# KiCad board TI-CUBE-Protoboard.kicad_pcb (continued)
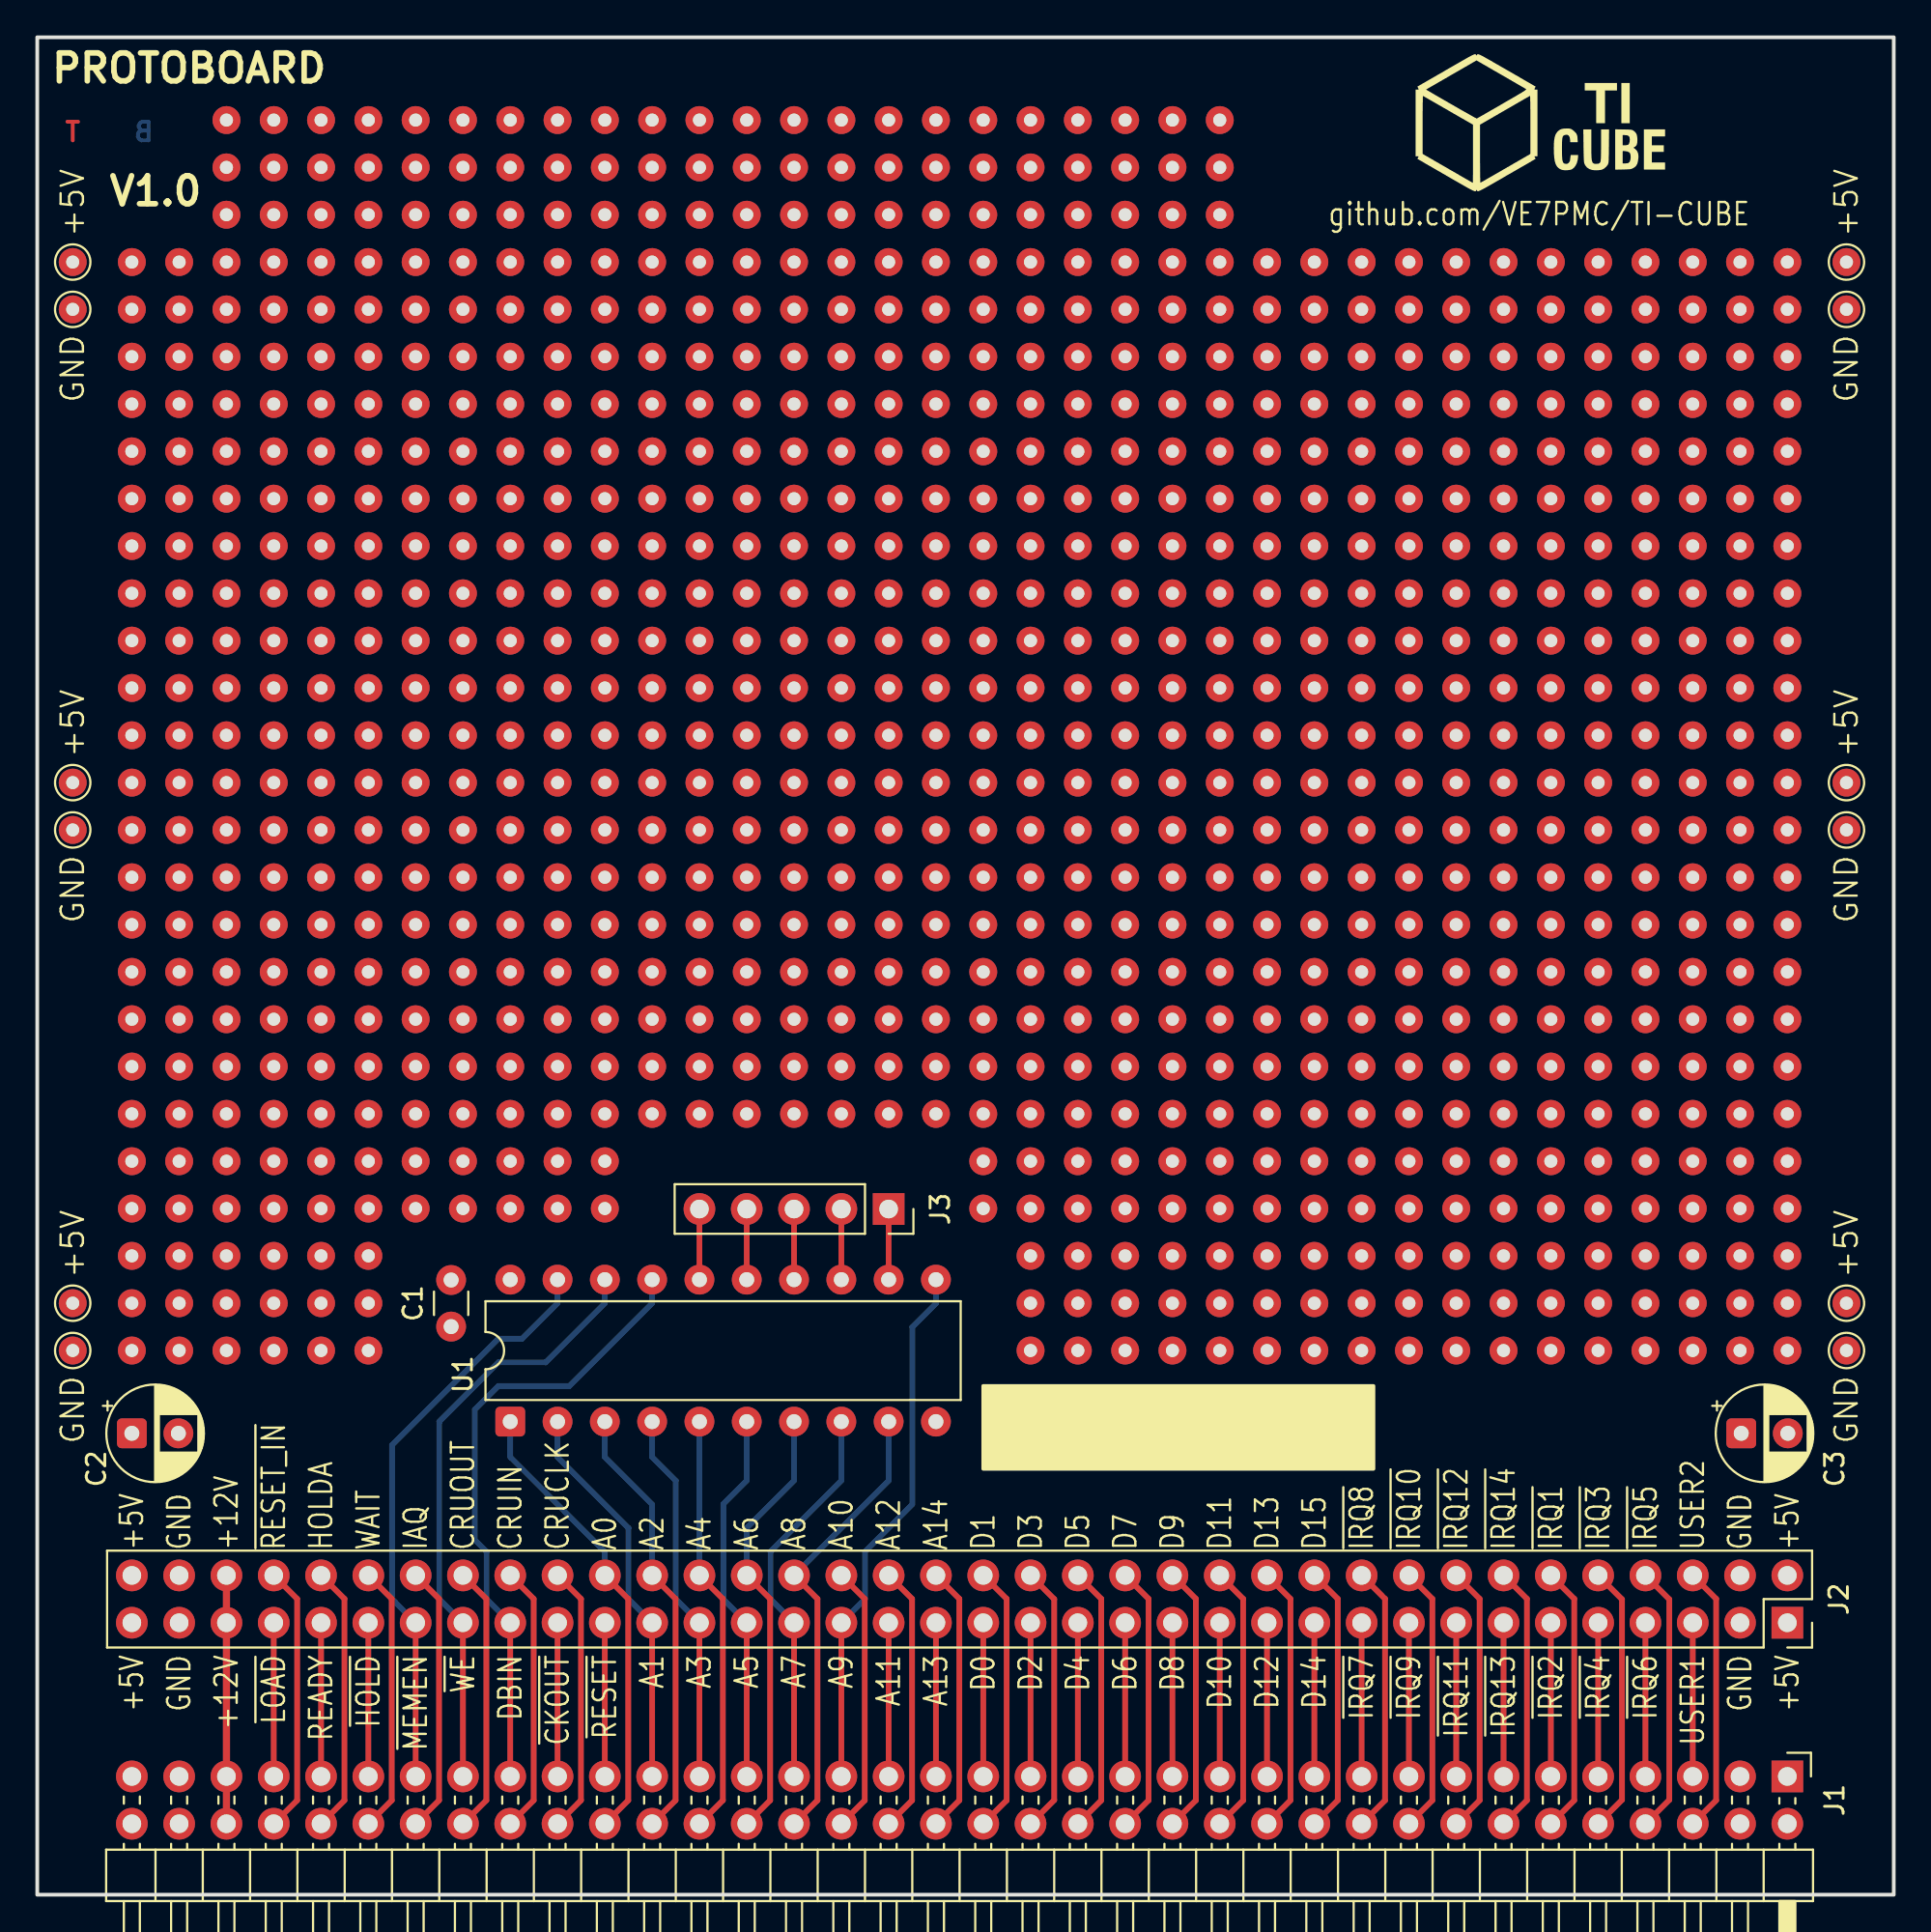
[diagram p0: board, top side]
## Placement (name value [footprint] x y rotation side) (continued)
REF**#693  -  [TestPoint_THTPad_D1.5mm_Drill0.7mm]  53.34 87.63 0 top
REF**#694  -  [TestPoint_THTPad_D1.5mm_Drill0.7mm]  93.98 72.39 0 top
REF**#695  -  [TestPoint_THTPad_D1.5mm_Drill0.7mm]  12.7 31.75 0 top
REF**#696  -  [TestPoint_THTPad_D1.5mm_Drill0.7mm]  81.28 36.83 0 top
REF**#697  -  [TestPoint_THTPad_D1.5mm_Drill0.7mm]  12.7 29.21 0 top
REF**#698  -  [TestPoint_THTPad_D1.5mm_Drill0.7mm]  58.42 41.91 0 top
REF**#699  -  [TestPoint_THTPad_D1.5mm_Drill0.7mm]  48.26 77.47 0 top
REF**#700  -  [TestPoint_THTPad_D1.5mm_Drill0.7mm]  5.08 64.77 0 top
REF**#701  -  [TestPoint_THTPad_D1.5mm_Drill0.7mm]  76.2 85.09 0 top
REF**#702  -  [TestPoint_THTPad_D1.5mm_Drill0.7mm]  12.7 92.71 0 top
REF**#703  -  [TestPoint_THTPad_D1.5mm_Drill0.7mm]  27.94 57.15 0 top
REF**#704  -  [TestPoint_THTPad_D1.5mm_Drill0.7mm]  48.26 69.85 0 top
REF**#705  -  [TestPoint_THTPad_D1.5mm_Drill0.7mm]  66.04 44.45 0 top
REF**#706  -  [TestPoint_THTPad_D1.5mm_Drill0.7mm]  93.98 31.75 0 top
REF**#707  -  [TestPoint_THTPad_D1.5mm_Drill0.7mm]  12.7 90.17 0 top
REF**#708  -  [TestPoint_THTPad_D1.5mm_Drill0.7mm]  50.8 46.99 0 top
REF**#709  -  [TestPoint_THTPad_D1.5mm_Drill0.7mm]  60.96 41.91 0 top
REF**#710  -  [TestPoint_THTPad_D1.5mm_Drill0.7mm]  83.82 57.15 0 top
REF**#711  -  [TestPoint_THTPad_D1.5mm_Drill0.7mm]  7.62 31.75 0 top
REF**#712  -  [TestPoint_THTPad_D1.5mm_Drill0.7mm]  66.04 41.91 0 top
REF**#713  -  [TestPoint_THTPad_D1.5mm_Drill0.7mm]  81.28 29.21 0 top
REF**#714  -  [TestPoint_THTPad_D1.5mm_Drill0.7mm]  25.4 69.85 0 top
REF**#715  -  [TestPoint_THTPad_D1.5mm_Drill0.7mm]  45.72 44.45 0 top
REF**#716  -  [TestPoint_THTPad_D1.5mm_Drill0.7mm]  5.08 85.09 0 top
REF**#717  -  [TestPoint_THTPad_D1.5mm_Drill0.7mm]  58.42 67.31 0 top
REF**#718  -  [TestPoint_THTPad_D1.5mm_Drill0.7mm]  22.86 46.99 0 top
REF**#719  -  [TestPoint_THTPad_D1.5mm_Drill0.7mm]  27.94 87.63 0 top
REF**#720  -  [TestPoint_THTPad_D1.5mm_Drill0.7mm]  20.32 39.37 0 top
REF**#721  -  [TestPoint_THTPad_D1.5mm_Drill0.7mm]  40.64 64.77 0 top
REF**#722  -  [TestPoint_THTPad_D1.5mm_Drill0.7mm]  22.86 52.07 0 top
REF**#723  -  [TestPoint_THTPad_D1.5mm_Drill0.7mm]  22.86 36.83 0 top
REF**#724  -  [TestPoint_THTPad_D1.5mm_Drill0.7mm]  33.02 85.09 0 top
REF**#725  -  [TestPoint_THTPad_D1.5mm_Drill0.7mm]  81.28 62.23 0 top
REF**#726  -  [TestPoint_THTPad_D1.5mm_Drill0.7mm]  10.16 87.63 0 top
REF**#727  -  [TestPoint_THTPad_D1.5mm_Drill0.7mm]  68.58 74.93 0 top
REF**#728  -  [TestPoint_THTPad_D1.5mm_Drill0.7mm]  93.98 36.83 0 top
REF**#729  -  [TestPoint_THTPad_D1.5mm_Drill0.7mm]  93.98 57.15 0 top
REF**#730  -  [TestPoint_THTPad_D1.5mm_Drill0.7mm]  53.34 72.39 0 top
REF**#731  -  [TestPoint_THTPad_D1.5mm_Drill0.7mm]  33.02 49.53 0 top
REF**#732  -  [TestPoint_THTPad_D1.5mm_Drill0.7mm]  53.34 54.61 0 top
REF**#733  -  [TestPoint_THTPad_D1.5mm_Drill0.7mm]  20.32 52.07 0 top
REF**#734  -  [TestPoint_THTPad_D1.5mm_Drill0.7mm]  93.98 62.23 0 top
REF**#735  -  [TestPoint_THTPad_D1.5mm_Drill0.7mm]  27.94 72.39 0 top
REF**#736  -  [TestPoint_THTPad_D1.5mm_Drill0.7mm]  68.58 62.23 0 top
REF**#737  -  [TestPoint_THTPad_D1.5mm_Drill0.7mm]  40.64 74.93 0 top
REF**#738  -  [TestPoint_THTPad_D1.5mm_Drill0.7mm]  22.86 92.71 0 top
REF**#739  -  [TestPoint_THTPad_D1.5mm_Drill0.7mm]  81.28 74.93 0 top
REF**#740  -  [TestPoint_THTPad_D1.5mm_Drill0.7mm]  53.34 29.21 0 top
REF**#741  -  [TestPoint_THTPad_D1.5mm_Drill0.7mm]  55.88 67.31 0 top
REF**#742  -  [TestPoint_THTPad_D1.5mm_Drill0.7mm]  17.78 90.17 0 top
REF**#743  -  [TestPoint_THTPad_D1.5mm_Drill0.7mm]  66.04 69.85 0 top
REF**#744  -  [TestPoint_THTPad_D1.5mm_Drill0.7mm]  7.62 87.63 0 top
REF**#745  -  [TestPoint_THTPad_D1.5mm_Drill0.7mm]  66.04 57.15 0 top
REF**#746  -  [TestPoint_THTPad_D1.5mm_Drill0.7mm]  91.44 72.39 0 top
REF**#747  -  [TestPoint_THTPad_D1.5mm_Drill0.7mm]  66.04 49.53 0 top
REF**#748  -  [TestPoint_THTPad_D1.5mm_Drill0.7mm]  25.4 90.17 0 top
REF**#749  -  [TestPoint_THTPad_D1.5mm_Drill0.7mm]  53.34 67.31 0 top
REF**#750  -  [TestPoint_THTPad_D1.5mm_Drill0.7mm]  63.5 46.99 0 top
REF**#751  -  [TestPoint_THTPad_D1.5mm_Drill0.7mm]  38.1 67.31 0 top
REF**#752  -  [TestPoint_THTPad_D1.5mm_Drill0.7mm]  40.64 92.71 0 top
REF**#753  -  [TestPoint_THTPad_D1.5mm_Drill0.7mm]  33.02 54.61 0 top
REF**#754  -  [TestPoint_THTPad_D1.5mm_Drill0.7mm]  91.44 49.53 0 top
REF**#755  -  [TestPoint_THTPad_D1.5mm_Drill0.7mm]  78.74 74.93 0 top
REF**#756  -  [TestPoint_THTPad_D1.5mm_Drill0.7mm]  45.72 69.85 0 top
REF**#757  -  [TestPoint_THTPad_D1.5mm_Drill0.7mm]  88.9 39.37 0 top
REF**#758  -  [TestPoint_THTPad_D1.5mm_Drill0.7mm]  50.8 52.07 0 top
REF**#759  -  [TestPoint_THTPad_D1.5mm_Drill0.7mm]  45.72 72.39 0 top
REF**#760  -  [TestPoint_THTPad_D1.5mm_Drill0.7mm]  40.64 57.15 0 top
REF**#761  -  [TestPoint_THTPad_D1.5mm_Drill0.7mm]  76.2 64.77 0 top
REF**#762  -  [TestPoint_THTPad_D1.5mm_Drill0.7mm]  50.8 67.31 0 top
REF**#763  -  [TestPoint_THTPad_D1.5mm_Drill0.7mm]  91.44 87.63 0 top
REF**#764  -  [TestPoint_THTPad_D1.5mm_Drill0.7mm]  20.32 59.69 0 top
REF**#765  -  [TestPoint_THTPad_D1.5mm_Drill0.7mm]  43.18 57.15 0 top
REF**#766  -  [TestPoint_THTPad_D1.5mm_Drill0.7mm]  48.26 95.25 0 top
REF**#767  -  [TestPoint_THTPad_D1.5mm_Drill0.7mm]  81.28 59.69 0 top
REF**#768  -  [TestPoint_THTPad_D1.5mm_Drill0.7mm]  71.12 44.45 0 top
REF**#769  -  [TestPoint_THTPad_D1.5mm_Drill0.7mm]  68.58 57.15 0 top
REF**#770  -  [TestPoint_THTPad_D1.5mm_Drill0.7mm]  55.88 62.23 0 top
REF**#771  -  [TestPoint_THTPad_D1.5mm_Drill0.7mm]  48.26 57.15 0 top
REF**#772  -  [TestPoint_THTPad_D1.5mm_Drill0.7mm]  88.9 80.01 0 top
REF**#773  -  [TestPoint_THTPad_D1.5mm_Drill0.7mm]  91.44 85.09 0 top
REF**#774  -  [TestPoint_THTPad_D1.5mm_Drill0.7mm]  15.24 92.71 0 top
REF**#775  -  [TestPoint_THTPad_D1.5mm_Drill0.7mm]  12.7 39.37 0 top
REF**#776  -  [TestPoint_THTPad_D1.5mm_Drill0.7mm]  53.34 41.91 0 top
REF**#777  -  [TestPoint_THTPad_D1.5mm_Drill0.7mm]  12.7 95.25 0 top
REF**#778  -  [TestPoint_THTPad_D1.5mm_Drill0.7mm]  55.88 46.99 0 top
REF**#779  -  [TestPoint_THTPad_D1.5mm_Drill0.7mm]  76.2 36.83 0 top
REF**#780  -  [TestPoint_THTPad_D1.5mm_Drill0.7mm]  7.62 67.31 0 top
REF**#781  -  [TestPoint_THTPad_D1.5mm_Drill0.7mm]  15.24 69.85 0 top
REF**#782  -  [TestPoint_THTPad_D1.5mm_Drill0.7mm]  66.04 80.01 0 top
REF**#783  -  [TestPoint_THTPad_D1.5mm_Drill0.7mm]  10.16 49.53 0 top
REF**#784  -  [TestPoint_THTPad_D1.5mm_Drill0.7mm]  78.74 41.91 0 top
REF**#785  -  [TestPoint_THTPad_D1.5mm_Drill0.7mm]  38.1 69.85 0 top
REF**#786  -  [TestPoint_THTPad_D1.5mm_Drill0.7mm]  91.44 39.37 0 top
REF**#787  -  [TestPoint_THTPad_D1.5mm_Drill0.7mm]  55.88 52.07 0 top
REF**#788  -  [TestPoint_THTPad_D1.5mm_Drill0.7mm]  71.12 85.09 0 top
REF**#789  -  [TestPoint_THTPad_D1.5mm_Drill0.7mm]  33.02 95.25 0 top
REF**#790  -  [TestPoint_THTPad_D1.5mm_Drill0.7mm]  10.16 62.23 0 top
REF**#791  -  [TestPoint_THTPad_D1.5mm_Drill0.7mm]  88.9 62.23 0 top
REF**#792  -  [TestPoint_THTPad_D1.5mm_Drill0.7mm]  91.44 36.83 0 top
REF**#793  -  [TestPoint_THTPad_D1.5mm_Drill0.7mm]  93.98 77.47 0 top
REF**#794  -  [TestPoint_THTPad_D1.5mm_Drill0.7mm]  88.9 67.31 0 top
REF**#795  -  [TestPoint_THTPad_D1.5mm_Drill0.7mm]  81.28 69.85 0 top
REF**#796  -  [TestPoint_THTPad_D1.5mm_Drill0.7mm]  86.36 87.63 0 top
REF**#797  -  [TestPoint_THTPad_D1.5mm_Drill0.7mm]  35.56 80.01 0 top
REF**#798  -  [TestPoint_THTPad_D1.5mm_Drill0.7mm]  60.96 95.25 0 top
REF**#799  -  [TestPoint_THTPad_D1.5mm_Drill0.7mm]  93.98 44.45 0 top
REF**#800  -  [TestPoint_THTPad_D1.5mm_Drill0.7mm]  35.56 72.39 0 top
REF**#801  -  [TestPoint_THTPad_D1.5mm_Drill0.7mm]  7.62 85.09 0 top
REF**#802  -  [TestPoint_THTPad_D1.5mm_Drill0.7mm]  86.36 74.93 0 top
REF**#803  -  [TestPoint_THTPad_D1.5mm_Drill0.7mm]  83.82 49.53 0 top
REF**#804  -  [TestPoint_THTPad_D1.5mm_Drill0.7mm]  83.82 74.93 0 top
REF**#805  -  [TestPoint_THTPad_D1.5mm_Drill0.7mm]  78.74 52.07 0 top
REF**#806  -  [TestPoint_THTPad_D1.5mm_Drill0.7mm]  60.96 90.17 0 top
REF**#807  -  [TestPoint_THTPad_D1.5mm_Drill0.7mm]  60.96 57.15 0 top
REF**#808  -  [TestPoint_THTPad_D1.5mm_Drill0.7mm]  38.1 52.07 0 top
REF**#809  -  [TestPoint_THTPad_D1.5mm_Drill0.7mm]  50.8 36.83 0 top
REF**#810  -  [TestPoint_THTPad_D1.5mm_Drill0.7mm]  30.48 95.25 0 top
REF**#811  -  [TestPoint_THTPad_D1.5mm_Drill0.7mm]  88.9 29.21 0 top
REF**#812  -  [TestPoint_THTPad_D1.5mm_Drill0.7mm]  35.56 87.63 0 top
REF**#813  -  [TestPoint_THTPad_D1.5mm_Drill0.7mm]  73.66 34.29 0 top
REF**#814  -  [TestPoint_THTPad_D1.5mm_Drill0.7mm]  7.62 39.37 0 top
REF**#815  -  [TestPoint_THTPad_D1.5mm_Drill0.7mm]  22.86 74.93 0 top
REF**#816  -  [TestPoint_THTPad_D1.5mm_Drill0.7mm]  78.74 72.39 0 top
REF**#817  -  [TestPoint_THTPad_D1.5mm_Drill0.7mm]  17.78 34.29 0 top
REF**#818  -  [TestPoint_THTPad_D1.5mm_Drill0.7mm]  81.28 39.37 0 top
REF**#819  -  [TestPoint_THTPad_D1.5mm_Drill0.7mm]  33.02 59.69 0 top
REF**#820  -  [TestPoint_THTPad_D1.5mm_Drill0.7mm]  27.94 59.69 0 top
REF**#821  -  [TestPoint_THTPad_D1.5mm_Drill0.7mm]  25.4 57.15 0 top
REF**#822  -  [TestPoint_THTPad_D1.5mm_Drill0.7mm]  33.02 87.63 0 top
REF**#823  -  [TestPoint_THTPad_D1.5mm_Drill0.7mm]  53.34 49.53 0 top
REF**#824  -  [TestPoint_THTPad_D1.5mm_Drill0.7mm]  55.88 54.61 0 top
REF**#825  -  [TestPoint_THTPad_D1.5mm_Drill0.7mm]  91.44 54.61 0 top
REF**#826  -  [TestPoint_THTPad_D1.5mm_Drill0.7mm]  35.56 77.47 0 top
REF**#827  -  [TestPoint_THTPad_D1.5mm_Drill0.7mm]  30.48 64.77 0 top
REF**#828  -  [TestPoint_THTPad_D1.5mm_Drill0.7mm]  48.26 59.69 0 top
REF**#829  -  [TestPoint_THTPad_D1.5mm_Drill0.7mm]  5.08 72.39 0 top
REF**#830  -  [TestPoint_THTPad_D1.5mm_Drill0.7mm]  66.04 87.63 0 top
REF**#831  -  [TestPoint_THTPad_D1.5mm_Drill0.7mm]  5.08 44.45 0 top
REF**#832  -  [TestPoint_THTPad_D1.5mm_Drill0.7mm]  78.74 87.63 0 top
REF**#833  -  [TestPoint_THTPad_D1.5mm_Drill0.7mm]  53.34 74.93 0 top
REF**#834  -  [TestPoint_THTPad_D1.5mm_Drill0.7mm]  12.7 41.91 0 top
REF**#835  -  [TestPoint_THTPad_D1.5mm_Drill0.7mm]  45.72 85.09 0 top
REF**#836  -  [TestPoint_THTPad_D1.5mm_Drill0.7mm]  5.08 80.01 0 top
REF**#837  -  [TestPoint_THTPad_D1.5mm_Drill0.7mm]  73.66 44.45 0 top
REF**#838  -  [TestPoint_THTPad_D1.5mm_Drill0.7mm]  83.82 62.23 0 top
REF**#839  -  [TestPoint_THTPad_D1.5mm_Drill0.7mm]  86.36 57.15 0 top
REF**#840  -  [TestPoint_THTPad_D1.5mm_Drill0.7mm]  55.88 95.25 0 top
REF**#841  -  [TestPoint_THTPad_D1.5mm_Drill0.7mm]  27.94 54.61 0 top
REF**#842  -  [TestPoint_THTPad_D1.5mm_Drill0.7mm]  66.04 36.83 0 top
REF**#843  -  [TestPoint_THTPad_D1.5mm_Drill0.7mm]  83.82 36.83 0 top
REF**#844  -  [TestPoint_THTPad_D1.5mm_Drill0.7mm]  81.28 46.99 0 top
REF**#845  -  [TestPoint_THTPad_D1.5mm_Drill0.7mm]  12.7 52.07 0 top
REF**#846  -  [TestPoint_THTPad_D1.5mm_Drill0.7mm]  7.62 59.69 0 top
REF**#847  -  [TestPoint_THTPad_D1.5mm_Drill0.7mm]  83.82 54.61 0 top
REF**#848  -  [TestPoint_THTPad_D1.5mm_Drill0.7mm]  68.58 59.69 0 top
REF**#849  -  [TestPoint_THTPad_D1.5mm_Drill0.7mm]  38.1 90.17 0 top
REF**#850  -  [TestPoint_THTPad_D1.5mm_Drill0.7mm]  40.64 95.25 0 top
REF**#851  -  [TestPoint_THTPad_D1.5mm_Drill0.7mm]  83.82 85.09 0 top
REF**#852  -  [TestPoint_THTPad_D1.5mm_Drill0.7mm]  48.26 87.63 0 top
REF**#853  -  [TestPoint_THTPad_D1.5mm_Drill0.7mm]  91.44 62.23 0 top
REF**#854  -  [TestPoint_THTPad_D1.5mm_Drill0.7mm]  63.5 95.25 0 top
REF**#855  -  [TestPoint_THTPad_D1.5mm_Drill0.7mm]  33.02 72.39 0 top
REF**#856  -  [TestPoint_THTPad_D1.5mm_Drill0.7mm]  71.12 36.83 0 top
REF**#857  -  [TestPoint_THTPad_D1.5mm_Drill0.7mm]  91.44 41.91 0 top
REF**#858  -  [TestPoint_THTPad_D1.5mm_Drill0.7mm]  76.2 46.99 0 top
REF**#859  -  [TestPoint_THTPad_D1.5mm_Drill0.7mm]  60.96 80.01 0 top
REF**#860  -  [TestPoint_THTPad_D1.5mm_Drill0.7mm]  45.72 41.91 0 top
REF**#861  -  [TestPoint_THTPad_D1.5mm_Drill0.7mm]  27.94 92.71 0 top
REF**#862  -  [TestPoint_THTPad_D1.5mm_Drill0.7mm]  38.1 41.91 0 top
REF**#863  -  [TestPoint_THTPad_D1.5mm_Drill0.7mm]  15.24 77.47 0 top
REF**#864  -  [TestPoint_THTPad_D1.5mm_Drill0.7mm]  7.62 80.01 0 top
REF**#865  -  [TestPoint_THTPad_D1.5mm_Drill0.7mm]  50.8 85.09 0 top
REF**#866  -  [TestPoint_THTPad_D1.5mm_Drill0.7mm]  60.96 74.93 0 top
REF**#867  -  [TestPoint_THTPad_D1.5mm_Drill0.7mm]  68.58 87.63 0 top
REF**#868  -  [TestPoint_THTPad_D1.5mm_Drill0.7mm]  91.44 67.31 0 top
REF**#869  -  [TestPoint_THTPad_D1.5mm_Drill0.7mm]  60.96 49.53 0 top
REF**#870  -  [TestPoint_THTPad_D1.5mm_Drill0.7mm]  83.82 82.55 0 top
REF**#871  -  [TestPoint_THTPad_D1.5mm_Drill0.7mm]  88.9 49.53 0 top
REF**#872  -  [TestPoint_THTPad_D1.5mm_Drill0.7mm]  30.48 85.09 0 top
REF**#873  -  [TestPoint_THTPad_D1.5mm_Drill0.7mm]  60.96 62.23 0 top
REF**#874  -  [TestPoint_THTPad_D1.5mm_Drill0.7mm]  81.28 87.63 0 top
REF**#875  -  [TestPoint_THTPad_D1.5mm_Drill0.7mm]  12.7 77.47 0 top
REF**#876  -  [TestPoint_THTPad_D1.5mm_Drill0.7mm]  30.48 59.69 0 top
REF**#877  -  [TestPoint_THTPad_D1.5mm_Drill0.7mm]  5.08 49.53 0 top
REF**#878  -  [TestPoint_THTPad_D1.5mm_Drill0.7mm]  33.02 62.23 0 top
U1  ATF16V8B-15PU  [DIP-20_W7.62mm]  25.4 25.39 90 top

## Library data of the parts
C1 = -: Description: Unpolarized capacitor, small symbol; ki_fp_filters: C_*
C2 C3 = -: Description: Polarized capacitor, small US symbol; ki_fp_filters: CP_*
GND1-GND6 PWR1-PWR6 = -: Description: test point; ki_fp_filters: Pin* Test*
J1 J2 = -: Description: TMS9900 backplane bus; ki_fp_filters: Connector*:*_2x??_*
J3 = -: Description: Generic connector, single row, 01x05, script generated (kicad-library-utils/schlib/autogen/connector/); ki_fp_filters: Connector*:*_1x??_*
U1 = -: Datasheet: https://ww1.microchip.com/downloads/en/DeviceDoc/Atmel-0364-PLD-ATF16V8B-8BQ-8BQL-Datasheet.pdf; Description: High-performance EE PLD, PAL Device Emulation / PAL Replacement, DIP-20; ki_fp_filters: DIP*W7.62mm*

## Footprints (pads in the part's own frame, mm; a bottom-side part is the same pattern mirrored in y, then rotated)
C_Ceramic_Cap_P2.50mm
  round 1.6 hole 0.8: 1(0,0) 2(2.5,0)
CP_Radial_D5.0mm_P2.50mm
  rrect 1.6x1.6 hole 0.8: 1(0,0)
  round 1.6 hole 0.8: 2(2.5,0)
DIP-20_W7.62mm
  rrect 1.6x1.6 hole 0.8: 1(0,0)
  round 1.6 hole 0.8: 2(0,-2.54) 3(0,-5.08) 4(0,-7.62) 5(0,-10.16) 6(0,-12.7) 7(0,-15.24) 8(0,-17.78) 9(0,-20.32) 10(0,-22.86) 11(7.62,-22.86) 12(7.62,-20.32) 13(7.62,-17.78) 14(7.62,-15.24) 15(7.62,-12.7) 16(7.62,-10.16) 17(7.62,-7.62) 18(7.62,-5.08) 19(7.62,-2.54) 20(7.62,0)
PinHeader_2x36_P2.54mm_Horizontal
  rect 1.7x1.7 hole 1: 1(0,0)
  round 1.7 hole 1: 2(2.54,0) 3(0,-2.54) 4(2.54,-2.54) 5(0,-5.08) 6(2.54,-5.08) 7(0,-7.62) 8(2.54,-7.62) 9(0,-10.16) 10(2.54,-10.16) 11(0,-12.7) 12(2.54,-12.7) 13(0,-15.24) 14(2.54,-15.24) 15(0,-17.78) 16(2.54,-17.78) 17(0,-20.32) 18(2.54,-20.32) 19(0,-22.86) 20(2.54,-22.86) 21(0,-25.4) 22(2.54,-25.4) 23(0,-27.94) 24(2.54,-27.94) 25(0,-30.48) 26(2.54,-30.48) 27(0,-33.02) 28(2.54,-33.02) 29(0,-35.56) 30(2.54,-35.56) 31(0,-38.1) 32(2.54,-38.1) 33(0,-40.64) 34(2.54,-40.64) 35(0,-43.18) 36(2.54,-43.18) 37(0,-45.72) 38(2.54,-45.72) 39(0,-48.26) 40(2.54,-48.26) 41(0,-50.8) 42(2.54,-50.8) 43(0,-53.34) 44(2.54,-53.34) 45(0,-55.88) 46(2.54,-55.88) 47(0,-58.42) 48(2.54,-58.42) 49(0,-60.96) 50(2.54,-60.96) 51(0,-63.5) 52(2.54,-63.5) 53(0,-66.04) 54(2.54,-66.04) 55(0,-68.58) 56(2.54,-68.58) 57(0,-71.12) 58(2.54,-71.12) 59(0,-73.66) 60(2.54,-73.66) 61(0,-76.2) 62(2.54,-76.2) 63(0,-78.74) 64(2.54,-78.74) 65(0,-81.28) 66(2.54,-81.28) 67(0,-83.82) 68(2.54,-83.82) 69(0,-86.36) 70(2.54,-86.36) 71(0,-88.9) 72(2.54,-88.9)
PinSocket_1x05_P2.54mm_Vertical
  rect 1.7x1.7 hole 1: 1(0,0)
  round 1.7 hole 1: 2(0,-2.54) 3(0,-5.08) 4(0,-7.62) 5(0,-10.16)
PinSocket_2x36_P2.54mm_Vertical
  rect 1.7x1.7 hole 1: 1(0,0)
  round 1.7 hole 1: 2(-2.54,0) 3(0,-2.54) 4(-2.54,-2.54) 5(0,-5.08) 6(-2.54,-5.08) 7(0,-7.62) 8(-2.54,-7.62) 9(0,-10.16) 10(-2.54,-10.16) 11(0,-12.7) 12(-2.54,-12.7) 13(0,-15.24) 14(-2.54,-15.24) 15(0,-17.78) 16(-2.54,-17.78) 17(0,-20.32) 18(-2.54,-20.32) 19(0,-22.86) 20(-2.54,-22.86) 21(0,-25.4) 22(-2.54,-25.4) 23(0,-27.94) 24(-2.54,-27.94) 25(0,-30.48) 26(-2.54,-30.48) 27(0,-33.02) 28(-2.54,-33.02) 29(0,-35.56) 30(-2.54,-35.56) 31(0,-38.1) 32(-2.54,-38.1) 33(0,-40.64) 34(-2.54,-40.64) 35(0,-43.18) 36(-2.54,-43.18) 37(0,-45.72) 38(-2.54,-45.72) 39(0,-48.26) 40(-2.54,-48.26) 41(0,-50.8) 42(-2.54,-50.8) 43(0,-53.34) 44(-2.54,-53.34) 45(0,-55.88) 46(-2.54,-55.88) 47(0,-58.42) 48(-2.54,-58.42) 49(0,-60.96) 50(-2.54,-60.96) 51(0,-63.5) 52(-2.54,-63.5) 53(0,-66.04) 54(-2.54,-66.04) 55(0,-68.58) 56(-2.54,-68.58) 57(0,-71.12) 58(-2.54,-71.12) 59(0,-73.66) 60(-2.54,-73.66) 61(0,-76.2) 62(-2.54,-76.2) 63(0,-78.74) 64(-2.54,-78.74) 65(0,-81.28) 66(-2.54,-81.28) 67(0,-83.82) 68(-2.54,-83.82) 69(0,-86.36) 70(-2.54,-86.36) 71(0,-88.9) 72(-2.54,-88.9)
TestPoint_THTPad_D1.5mm_Drill0.7mm
  round 1.5 hole 0.7: 1(0,0)

## Nets
+5V: C1.2 C2.1 C3.1 J1.1 J1.2 J1.71 J1.72 J2.1 J2.2 J2.71 J2.72 PWR1.1 PWR2.1 PWR3.1 PWR4.1 PWR5.1 PWR6.1 U1.20
+12V: J1.67 J1.68 J2.67 J2.68
GND: C1.1 C2.2 C3.2 GND1.1 GND2.1 GND3.1 GND4.1 GND5.1 GND6.1 J1.3 J1.4 J1.69 J1.70 J2.3 J2.4 J2.69 J2.70 U1.10
/A0: J1.52 J2.52 U1.1
/A1: J1.49 J2.49 U1.2
/A2: J1.50 J2.50 U1.3
/A3: J1.47 J2.47 U1.4
/A4: J1.48 J2.48 U1.5
/A5: J1.45 J2.45 U1.6
/A6: J1.46 J2.46 U1.7
/A7: J1.43 J2.43 U1.8
/A8: J1.44 J2.44 U1.9
/A9: J1.41 J2.41 U1.11
/A10: J1.42 J2.42
/A11: J1.39 J2.39
/A12: J1.40 J2.40
/A13: J1.37 J2.37
/A14: J1.38 J2.38
/CRUCLK: J1.54 J2.54
/CRUIN: J1.56 J2.56
/CRUOUT: J1.58 J2.58
/D0: J1.35 J2.35
/D1: J1.36 J2.36
/D2: J1.33 J2.33
/D3: J1.34 J2.34
/D4: J1.31 J2.31
/D5: J1.32 J2.32
/D6: J1.29 J2.29
/D7: J1.30 J2.30
/D8: J1.27 J2.27
/D9: J1.28 J2.28
/D10: J1.25 J2.25
/D11: J1.26 J2.26
/D12: J1.23 J2.23
/D13: J1.24 J2.24
/D14: J1.21 J2.21
/D15: J1.22 J2.22
/DBIN: J1.55 J2.55 U1.17
/HOLDA: J1.64 J2.64
/IAQ: J1.60 J2.60
/READY: J1.63 J2.63
/USER1: J1.5 J2.5
/USER2: J1.6 J2.6
/WAIT: J1.62 J2.62
/~{CKOUT}: J1.53 J2.53
/~{HOLD}: J1.61 J2.61
/~{IRQ1}: J1.12 J2.12
/~{IRQ2}: J1.11 J2.11
/~{IRQ3}: J1.10 J2.10
/~{IRQ4}: J1.9 J2.9
/~{IRQ5}: J1.8 J2.8
/~{IRQ6}: J1.7 J2.7
/~{IRQ7}: J1.19 J2.19
/~{IRQ8}: J1.20 J2.20
/~{IRQ9}: J1.17 J2.17
/~{IRQ10}: J1.18 J2.18
/~{IRQ11}: J1.15 J2.15
/~{IRQ12}: J1.16 J2.16
/~{IRQ13}: J1.13 J2.13
/~{IRQ14}: J1.14 J2.14
/~{LOAD}: J1.65 J2.65
/~{MEMEN}: J1.59 J2.59 U1.19
/~{RESET_IN}: J1.66 J2.66
/~{RESET}: J1.51 J2.51
/~{WE}: J1.57 J2.57 U1.18
Net-(J3-Pin_1): J3.1 U1.12
Net-(J3-Pin_2): J3.2 U1.13
Net-(J3-Pin_3): J3.3 U1.14
Net-(J3-Pin_4): J3.4 U1.15
Net-(J3-Pin_5): J3.5 U1.16

Pads without a net: REF** 1; REF**#2 1; REF**#3 1; REF**#4 1; REF**#5 1; REF**#6 1; REF**#7 1; REF**#8 1; REF**#9 1; REF**#10 1; REF**#11 1; REF**#12 1; REF**#13 1; REF**#14 1; REF**#15 1; REF**#16 1; REF**#17 1; REF**#18 1; REF**#19 1; REF**#20 1; REF**#21 1; REF**#22 1; REF**#23 1; REF**#24 1; REF**#25 1; REF**#26 1; REF**#27 1; REF**#28 1; REF**#29 1; REF**#30 1; REF**#31 1; REF**#32 1; REF**#33 1; REF**#34 1; REF**#35 1; REF**#36 1; REF**#37 1; REF**#38 1; REF**#39 1; REF**#40 1; REF**#41 1; REF**#42 1; REF**#43 1; REF**#44 1; REF**#45 1; REF**#46 1; REF**#47 1; REF**#48 1; REF**#49 1; REF**#50 1; REF**#51 1; REF**#52 1; REF**#53 1; REF**#54 1; REF**#55 1; REF**#56 1; REF**#57 1; REF**#58 1; REF**#59 1; REF**#60 1; REF**#61 1; REF**#62 1; REF**#63 1; REF**#64 1; REF**#65 1; REF**#66 1; REF**#67 1; REF**#68 1; REF**#69 1; REF**#70 1; REF**#71 1; REF**#72 1; REF**#73 1; REF**#74 1; REF**#75 1; REF**#76 1; REF**#77 1; REF**#78 1; REF**#79 1; REF**#80 1; REF**#81 1; REF**#82 1; REF**#83 1; REF**#84 1; REF**#85 1; REF**#86 1; REF**#87 1; REF**#88 1; REF**#89 1; REF**#90 1; REF**#91 1; REF**#92 1; REF**#93 1; REF**#94 1; REF**#95 1; REF**#96 1; REF**#97 1; REF**#98 1; REF**#99 1; REF**#100 1; REF**#101 1; REF**#102 1; REF**#103 1; REF**#104 1; REF**#105 1; REF**#106 1; REF**#107 1; REF**#108 1; REF**#109 1; REF**#110 1; REF**#111 1; REF**#112 1; REF**#113 1; REF**#114 1; REF**#115 1; REF**#116 1; REF**#117 1; REF**#118 1; REF**#119 1; REF**#120 1; REF**#121 1; REF**#122 1; REF**#123 1; REF**#124 1; REF**#125 1; REF**#126 1; REF**#127 1; REF**#128 1; REF**#129 1; REF**#130 1; REF**#131 1; REF**#132 1; REF**#133 1; REF**#134 1; REF**#135 1; REF**#136 1; REF**#137 1; REF**#138 1; REF**#139 1; REF**#140 1; REF**#141 1; REF**#142 1; REF**#143 1; REF**#144 1; REF**#145 1; REF**#146 1; REF**#147 1; REF**#148 1; REF**#149 1; REF**#150 1; REF**#151 1; REF**#152 1; REF**#153 1; REF**#154 1; REF**#155 1; REF**#156 1; REF**#157 1; REF**#158 1; REF**#159 1; REF**#160 1; REF**#161 1; REF**#162 1; REF**#163 1; REF**#164 1; REF**#165 1; REF**#166 1; REF**#167 1; REF**#168 1; REF**#169 1; REF**#170 1; REF**#171 1; REF**#172 1; REF**#173 1; REF**#174 1; REF**#175 1; REF**#176 1; REF**#177 1; REF**#178 1; REF**#179 1; REF**#180 1; REF**#181 1; REF**#182 1; REF**#183 1; REF**#184 1; REF**#185 1; REF**#186 1; REF**#187 1; REF**#188 1; REF**#189 1; REF**#190 1; REF**#191 1; REF**#192 1; REF**#193 1; REF**#194 1; REF**#195 1; REF**#196 1; REF**#197 1; REF**#198 1; REF**#199 1; REF**#200 1; REF**#201 1; REF**#202 1; REF**#203 1; REF**#204 1; REF**#205 1; REF**#206 1; REF**#207 1; REF**#208 1; REF**#209 1; REF**#210 1; REF**#211 1; REF**#212 1; REF**#213 1; REF**#214 1; REF**#215 1; REF**#216 1; REF**#217 1; REF**#218 1; REF**#219 1; REF**#220 1; REF**#221 1; REF**#222 1; REF**#223 1; REF**#224 1; REF**#225 1; REF**#226 1; REF**#227 1; REF**#228 1; REF**#229 1; REF**#230 1; REF**#231 1; REF**#232 1; REF**#233 1; REF**#234 1; REF**#235 1; REF**#236 1; REF**#237 1; REF**#238 1; REF**#239 1; REF**#240 1; REF**#241 1; REF**#242 1; REF**#243 1; REF**#244 1; REF**#245 1; REF**#246 1; REF**#247 1; REF**#248 1; REF**#249 1; REF**#250 1; REF**#251 1; REF**#252 1; REF**#253 1; REF**#254 1; REF**#255 1; REF**#256 1; REF**#257 1; REF**#258 1; REF**#259 1; REF**#260 1; REF**#261 1; REF**#262 1; REF**#263 1; REF**#264 1; REF**#265 1; REF**#266 1; REF**#267 1; REF**#268 1; REF**#269 1; REF**#270 1; REF**#271 1; REF**#272 1; REF**#273 1; REF**#274 1; REF**#275 1; REF**#276 1; REF**#277 1; REF**#278 1; REF**#279 1; REF**#280 1; REF**#281 1; REF**#282 1; REF**#283 1; REF**#284 1; REF**#285 1; REF**#286 1; REF**#287 1; REF**#288 1; REF**#289 1; REF**#290 1; REF**#291 1; REF**#292 1; REF**#293 1; REF**#294 1; REF**#295 1; REF**#296 1; REF**#297 1; REF**#298 1; REF**#299 1; REF**#300 1; REF**#301 1; REF**#302 1; REF**#303 1; REF**#304 1; REF**#305 1; REF**#306 1; REF**#307 1; REF**#308 1; REF**#309 1; REF**#310 1; REF**#311 1; REF**#312 1; REF**#313 1; REF**#314 1; REF**#315 1; REF**#316 1; REF**#317 1; REF**#318 1; REF**#319 1; REF**#320 1; REF**#321 1; REF**#322 1; REF**#323 1; REF**#324 1; REF**#325 1; REF**#326 1; REF**#327 1; REF**#328 1; REF**#329 1; REF**#330 1; REF**#331 1; REF**#332 1; REF**#333 1; REF**#334 1; REF**#335 1; REF**#336 1; REF**#337 1; REF**#338 1; REF**#339 1; REF**#340 1; REF**#341 1; REF**#342 1; REF**#343 1; REF**#344 1; REF**#345 1; REF**#346 1; REF**#347 1; REF**#348 1; REF**#349 1; REF**#350 1; REF**#351 1; REF**#352 1; REF**#353 1; REF**#354 1; REF**#355 1; REF**#356 1; REF**#357 1; REF**#358 1; REF**#359 1; REF**#360 1; REF**#361 1; REF**#362 1; REF**#363 1; REF**#364 1; REF**#365 1; REF**#366 1; REF**#367 1; REF**#368 1; REF**#369 1; REF**#370 1; REF**#371 1; REF**#372 1; REF**#373 1; REF**#374 1; REF**#375 1; REF**#376 1; REF**#377 1; REF**#378 1; REF**#379 1; REF**#380 1; REF**#381 1; REF**#382 1; REF**#383 1; REF**#384 1; REF**#385 1; REF**#386 1; REF**#387 1; REF**#388 1; REF**#389 1; REF**#390 1; REF**#391 1; REF**#392 1; REF**#393 1; REF**#394 1; REF**#395 1; REF**#396 1; REF**#397 1; REF**#398 1; REF**#399 1; REF**#400 1; REF**#401 1; REF**#402 1; REF**#403 1; REF**#404 1; REF**#405 1; REF**#406 1; REF**#407 1; REF**#408 1; REF**#409 1; REF**#410 1; REF**#411 1; REF**#412 1; REF**#413 1; REF**#414 1; REF**#415 1; REF**#416 1; REF**#417 1; REF**#418 1; REF**#419 1; REF**#420 1; REF**#421 1; REF**#422 1; REF**#423 1; REF**#424 1; REF**#425 1; REF**#426 1; REF**#427 1; REF**#428 1; REF**#429 1; REF**#430 1; REF**#431 1; REF**#432 1; REF**#433 1; REF**#434 1; REF**#435 1; REF**#436 1; REF**#437 1; REF**#438 1; REF**#439 1; REF**#440 1; REF**#441 1; REF**#442 1; REF**#443 1; REF**#444 1; REF**#445 1; REF**#446 1; REF**#447 1; REF**#448 1; REF**#449 1; REF**#450 1; REF**#451 1; REF**#452 1; REF**#453 1; REF**#454 1; REF**#455 1; REF**#456 1; REF**#457 1; REF**#458 1; REF**#459 1; REF**#460 1; REF**#462 1; REF**#463 1; REF**#464 1; REF**#465 1; REF**#466 1; REF**#467 1; REF**#468 1; REF**#469 1; REF**#470 1; REF**#471 1; REF**#472 1; REF**#473 1; REF**#474 1; REF**#475 1; REF**#476 1; REF**#477 1; REF**#478 1; REF**#479 1; REF**#480 1; REF**#481 1; REF**#482 1; REF**#483 1; REF**#484 1; REF**#485 1; REF**#486 1; REF**#487 1; REF**#488 1; REF**#489 1; REF**#490 1; REF**#491 1; REF**#492 1; REF**#493 1; REF**#494 1; REF**#495 1; REF**#496 1; REF**#497 1; REF**#498 1; REF**#499 1; REF**#500 1; REF**#501 1; REF**#502 1; REF**#503 1; REF**#504 1; REF**#505 1; REF**#506 1; REF**#507 1; REF**#508 1; REF**#509 1; REF**#510 1; REF**#511 1; REF**#512 1; REF**#513 1; REF**#514 1; REF**#515 1; REF**#516 1; REF**#517 1; REF**#518 1; REF**#519 1; REF**#520 1; REF**#521 1; REF**#522 1; REF**#523 1; REF**#524 1; REF**#525 1; REF**#526 1; REF**#527 1; REF**#528 1; REF**#529 1; REF**#530 1; REF**#531 1; REF**#532 1; REF**#533 1; REF**#534 1; REF**#535 1; REF**#536 1; REF**#537 1; REF**#538 1; REF**#539 1; REF**#540 1; REF**#541 1; REF**#542 1; REF**#543 1; REF**#544 1; REF**#545 1; REF**#546 1; REF**#547 1; REF**#548 1; REF**#549 1; REF**#550 1; REF**#551 1; REF**#552 1; REF**#553 1; REF**#554 1; REF**#555 1; REF**#556 1; REF**#557 1; REF**#558 1; REF**#559 1; REF**#560 1; REF**#561 1; REF**#562 1; REF**#563 1; REF**#564 1; REF**#565 1; REF**#566 1; REF**#567 1; REF**#568 1; REF**#569 1; REF**#570 1; REF**#571 1; REF**#572 1; REF**#573 1; REF**#574 1; REF**#575 1; REF**#576 1; REF**#577 1; REF**#578 1; REF**#579 1; REF**#580 1; REF**#581 1; REF**#582 1; REF**#583 1; REF**#584 1; REF**#585 1; REF**#586 1; REF**#587 1; REF**#588 1; REF**#589 1; REF**#590 1; REF**#591 1; REF**#592 1; REF**#593 1; REF**#594 1; REF**#595 1; REF**#596 1; REF**#597 1; REF**#598 1; REF**#599 1; REF**#600 1; REF**#601 1; REF**#602 1; REF**#603 1; REF**#604 1; REF**#605 1; REF**#606 1; REF**#607 1; REF**#608 1; REF**#609 1; REF**#610 1; REF**#611 1; REF**#612 1; REF**#613 1; REF**#614 1; REF**#615 1; REF**#616 1; REF**#617 1; REF**#618 1; REF**#619 1; REF**#620 1; REF**#621 1; REF**#622 1; REF**#623 1; REF**#624 1; REF**#625 1; REF**#626 1; REF**#627 1; REF**#628 1; REF**#629 1; REF**#630 1; REF**#631 1; REF**#632 1; REF**#633 1; REF**#634 1; REF**#635 1; REF**#636 1; REF**#637 1; REF**#638 1; REF**#639 1; REF**#640 1; REF**#641 1; REF**#642 1; REF**#643 1; REF**#644 1; REF**#645 1; REF**#646 1; REF**#647 1; REF**#648 1; REF**#649 1; REF**#650 1; REF**#651 1; REF**#652 1; REF**#653 1; REF**#654 1; REF**#655 1; REF**#656 1; REF**#657 1; REF**#658 1; REF**#659 1; REF**#660 1; REF**#661 1; REF**#662 1; REF**#663 1; REF**#664 1; REF**#665 1; REF**#666 1; REF**#667 1; REF**#668 1; REF**#669 1; REF**#670 1; REF**#671 1; REF**#672 1; REF**#673 1; REF**#674 1; REF**#675 1; REF**#676 1; REF**#677 1; REF**#678 1; REF**#679 1; REF**#680 1; REF**#681 1; REF**#682 1; REF**#683 1; REF**#684 1; REF**#685 1; REF**#686 1; REF**#687 1; REF**#688 1; REF**#689 1; REF**#690 1; REF**#691 1; REF**#692 1; REF**#693 1; REF**#694 1; REF**#695 1; REF**#696 1; REF**#697 1; REF**#698 1; REF**#699 1; REF**#700 1; REF**#701 1; REF**#702 1; REF**#703 1; REF**#704 1; REF**#705 1; REF**#706 1; REF**#707 1; REF**#708 1; REF**#709 1; REF**#710 1; REF**#711 1; REF**#712 1; REF**#713 1; REF**#714 1; REF**#715 1; REF**#716 1; REF**#717 1; REF**#718 1; REF**#719 1; REF**#720 1; REF**#721 1; REF**#722 1; REF**#723 1; REF**#724 1; REF**#725 1; REF**#726 1; REF**#727 1; REF**#728 1; REF**#729 1; REF**#730 1; REF**#731 1; REF**#732 1; REF**#733 1; REF**#734 1; REF**#735 1; REF**#736 1; REF**#737 1; REF**#738 1; REF**#739 1; REF**#740 1; REF**#741 1; REF**#742 1; REF**#743 1; REF**#744 1; REF**#745 1; REF**#746 1; REF**#747 1; REF**#748 1; REF**#749 1; REF**#750 1; REF**#751 1; REF**#752 1; REF**#753 1; REF**#754 1; REF**#755 1; REF**#756 1; REF**#757 1; REF**#758 1; REF**#759 1; REF**#760 1; REF**#761 1; REF**#762 1; REF**#763 1; REF**#764 1; REF**#765 1; REF**#766 1; REF**#767 1; REF**#768 1; REF**#769 1; REF**#770 1; REF**#771 1; REF**#772 1; REF**#773 1; REF**#774 1; REF**#775 1; REF**#776 1; REF**#777 1; REF**#778 1; REF**#779 1; REF**#780 1; REF**#781 1; REF**#782 1; REF**#783 1; REF**#784 1; REF**#785 1; REF**#786 1; REF**#787 1; REF**#788 1; REF**#789 1; REF**#790 1; REF**#791 1; REF**#792 1; REF**#793 1; REF**#794 1; REF**#795 1; REF**#796 1; REF**#797 1; REF**#798 1; REF**#799 1; REF**#800 1; REF**#801 1; REF**#802 1; REF**#803 1; REF**#804 1; REF**#805 1; REF**#806 1; REF**#807 1; REF**#808 1; REF**#809 1; REF**#810 1; REF**#811 1; REF**#812 1; REF**#813 1; REF**#814 1; REF**#815 1; REF**#816 1; REF**#817 1; REF**#818 1; REF**#819 1; REF**#820 1; REF**#821 1; REF**#822 1; REF**#823 1; REF**#824 1; REF**#825 1; REF**#826 1; REF**#827 1; REF**#828 1; REF**#829 1; REF**#830 1; REF**#831 1; REF**#832 1; REF**#833 1; REF**#834 1; REF**#835 1; REF**#836 1; REF**#837 1; REF**#838 1; REF**#839 1; REF**#840 1; REF**#841 1; REF**#842 1; REF**#843 1; REF**#844 1; REF**#845 1; REF**#846 1; REF**#847 1; REF**#848 1; REF**#849 1; REF**#850 1; REF**#851 1; REF**#852 1; REF**#853 1; REF**#854 1; REF**#855 1; REF**#856 1; REF**#857 1; REF**#858 1; REF**#859 1; REF**#860 1; REF**#861 1; REF**#862 1; REF**#863 1; REF**#864 1; REF**#865 1; REF**#866 1; REF**#867 1; REF**#868 1; REF**#869 1; REF**#870 1; REF**#871 1; REF**#872 1; REF**#873 1; REF**#874 1; REF**#875 1; REF**#876 1; REF**#877 1; REF**#878 1

## Routing (per net, layer and track width the routed paths; a pad name or vN(x,y) marks a point on that pad's centre or on a via; arc(x,y) is an arc through that point)
+12V: length 13.3
  Top w0.381: J2.68 J1.68
/A0: length 24.7
  Top w0.305: J1.52 31.74,5.07 31.74,15.88 J2.52
  Bottom w0.305: U1.1 25.4,23.49 30.48,18.41 J2.52
/A1: length 21.1
  Top w0.305: J2.49 J1.49
  Bottom w0.305: J2.49 31.75,15.87 31.75,19.68 27.94,23.49 U1.2
/A2: length 23.7
  Top w0.305: J1.50 34.28,5.07 34.28,15.88 J2.50
  Bottom w0.305: U1.3 30.48,23.49 33.02,20.95 J2.50
/A3: length 20.1
  Top w0.305: J2.47 J1.47
  Bottom w0.305: U1.4 33.02,23.49 34.29,22.22 34.29,15.87 J2.47
/A4: length 22.6
  Top w0.305: J1.48 36.82,5.07 36.82,15.88 J2.48
  Bottom w0.305: U1.5 J2.48
/A5: length 20.1
  Top w0.305: J2.45 J1.45
  Bottom w0.305: J2.45 36.84,15.86 36.84,20.97 38.1,22.22 U1.6
/A6: length 23.7
  Top w0.305: J2.46 39.36,15.88 39.36,5.07 J1.46
  Bottom w0.305: J2.46 38.1,19.68 40.64,22.22 U1.7
/A7: length 21.1
  Top w0.305: J2.43 J1.43
  Bottom w0.305: J2.43 39.38,15.86 39.38,18.43 43.18,22.22 U1.8
/A8: length 24.7
  Top w0.305: J1.44 41.9,5.07 41.9,15.88 J2.44
  Bottom w0.305: U1.9 45.72,22.22 J2.44
/A9: length 28.8
  Top w0.305: J2.41 J1.41
  Bottom w0.305: J2.41 44.45,15.87 44.45,18.41 46.99,20.95 46.99,30.47 48.26,31.74 U1.11
/A10: length 14.4
  Top w0.305: J2.42 44.44,15.88 44.44,5.07 J1.42
/A11: length 8.2
  Top w0.305: J2.39 J1.39
/A12: length 14.4
  Top w0.305: J1.40 46.98,5.07 46.98,15.88 J2.40
/A13: length 8.2
  Top w0.305: J2.37 J1.37
/A14: length 14.4
  Top w0.305: J1.38 49.52,5.07 49.52,15.88 J2.38
/CRUCLK: length 14.4
  Top w0.305: J2.54 29.2,15.88 29.2,5.07 J1.54
/CRUIN: length 14.4
  Top w0.305: J2.56 26.66,15.88 26.66,5.07 J1.56
/CRUOUT: length 14.4
  Top w0.305: J2.58 24.12,15.88 24.12,5.07 J1.58
/D0: length 8.2
  Top w0.305: J2.35 J1.35
/D1: length 14.4
  Top w0.305: J1.36 52.06,5.07 52.06,15.88 J2.36
/D2: length 8.2
  Top w0.305: J2.33 J1.33
/D3: length 14.4
  Top w0.305: J1.34 54.61,5.08 54.61,15.87 J2.34
/D4: length 8.2
  Top w0.305: J2.31 J1.31
/D5: length 14.4
  Top w0.305: J2.32 57.14,15.88 57.14,5.07 J1.32
/D6: length 8.2
  Top w0.305: J2.29 J1.29
/D7: length 14.4
  Top w0.305: J2.30 59.68,15.88 59.68,5.07 J1.30
/D8: length 8.2
  Top w0.305: J2.27 J1.27
/D9: length 14.4
  Top w0.305: J2.28 62.22,15.88 62.22,5.07 J1.28
/D10: length 8.2
  Top w0.305: J2.25 J1.25
/D11: length 14.4
  Top w0.305: J1.26 64.76,5.07 64.76,15.88 J2.26
/D12: length 8.2
  Top w0.305: J2.23 J1.23
/D13: length 14.4
  Top w0.305: J2.24 67.3,15.88 67.3,5.07 J1.24
/D14: length 8.2
  Top w0.305: J2.21 J1.21
/D15: length 14.4
  Top w0.305: J1.22 69.84,5.07 69.84,15.88 J2.22
/DBIN: length 33.6
  Top w0.305: J2.55 J1.55
  Bottom w0.305: U1.17 33.02,31.75 28.58,27.31 24.77,27.31 23.5,26.04 23.5,19.05 24.13,18.42 24.13,15.87 J2.55
/HOLDA: length 14.4
  Top w0.305: J1.64 16.5,5.07 16.5,15.88 J2.64
/IAQ: length 14.4
  Top w0.305: J2.60 21.58,15.88 21.58,5.07 J1.60
/READY: length 8.2
  Top w0.305: J2.63 J1.63
/USER1: length 8.2
  Top w0.305: J2.5 J1.5
/USER2: length 14.4
  Top w0.305: J2.6 90.16,15.88 90.16,5.07 J1.6
/WAIT: length 14.4
  Top w0.305: J2.62 19.04,15.88 19.04,5.07 J1.62
/~{CKOUT}: length 8.2
  Top w0.305: J2.53 J1.53
/~{HOLD}: length 8.2
  Top w0.305: J2.61 J1.61
/~{IRQ1}: length 14.4
  Top w0.305: J2.12 82.54,15.88 82.54,5.07 J1.12
/~{IRQ2}: length 8.2
  Top w0.305: J2.11 J1.11
/~{IRQ3}: length 14.4
  Top w0.305: J2.10 85.1,15.86 85.1,5.09 J1.10
/~{IRQ4}: length 8.2
  Top w0.305: J2.9 J1.9
/~{IRQ5}: length 14.4
  Top w0.305: J1.8 87.64,5.09 87.64,15.86 J2.8
/~{IRQ6}: length 8.2
  Top w0.305: J2.7 J1.7
/~{IRQ7}: length 8.2
  Top w0.305: J2.19 J1.19
/~{IRQ8}: length 14.4
  Top w0.305: J2.20 72.38,15.88 72.38,5.07 J1.20
/~{IRQ9}: length 8.2
  Top w0.305: J2.17 J1.17
/~{IRQ10}: length 14.4
  Top w0.305: J2.18 74.92,15.88 74.92,5.07 J1.18
/~{IRQ11}: length 8.2
  Top w0.305: J2.15 J1.15
/~{IRQ12}: length 14.4
  Top w0.305: J1.16 77.46,5.07 77.46,15.88 J2.16
/~{IRQ13}: length 8.2
  Top w0.305: J2.13 J1.13
/~{IRQ14}: length 14.4
  Top w0.305: J1.14 80,5.07 80,15.88 J2.14
/~{LOAD}: length 8.2
  Top w0.305: J2.65 J1.65
/~{MEMEN}: length 31.6
  Top w0.305: J2.59 J1.59
  Bottom w0.305: U1.19 27.94,31.75 26.03,29.85 24.77,29.85 19.05,24.13 19.05,15.88 19.22,15.71 19.22,15.7 J2.59
/~{RESET_IN}: length 14.4
  Top w0.305: J2.66 13.96,15.88 13.96,5.07 J1.66
/~{RESET}: length 8.2
  Top w0.305: J2.51 J1.51
/~{WE}: length 32.4
  Top w0.305: J2.57 J1.57
  Bottom w0.305: U1.18 30.48,31.75 27.31,28.58 24.77,28.58 21.59,25.4 21.59,15.87 J2.57
Net-(J3-Pin_1): length 3.8
  Top w0.305: 45.72,36.82 U1.12
Net-(J3-Pin_2): length 3.8
  Top w0.305: 43.18,36.82 U1.13
Net-(J3-Pin_3): length 3.8
  Top w0.305: 40.64,36.82 U1.14
Net-(J3-Pin_4): length 3.8
  Top w0.305: 38.1,36.82 U1.15
Net-(J3-Pin_5): length 3.8
  Top w0.305: 35.56,36.82 U1.16

## Copper pours and planes (outline as drawn; the poured copper is in the pictures)
+5V on In1.Cu: 0.64,99.06 99.06,99.06 99.06,0.64 0.64,0.64
GND on In2.Cu: 0.64,99.06 99.06,99.06 99.06,0.64 0.64,0.64

## Text on the board
B.Silkscreen: +5V | GND | +12V | ~{RESET_IN} | HOLDA | WAIT | IAQ | CRUOUT | CRUIN | CRUCLK | A0 | A2 | A4 | A6 | A8 | A10 | A12 | A14 | D1 | D3 | D5 | D7 | D9 | D11 | D13 | D15 | ~{IRQ8} | ~{IRQ10} | ~{IRQ12} | ~{IRQ14} | ~{IRQ1} | ~{IRQ3} | ~{IRQ5} | USER2 | ~{LOAD} | READY | ~{HOLD} | ~{MEMEN} | ~{WE} | DBIN | ~{CKOUT} | ~{RESET} | A1 | A3 | A5 | A7 | A9 | A11 | A13 | D0 | D2 | D4 | D6 | D8 | D10 | D12 | D14 | ~{IRQ7} | ~{IRQ9} | ~{IRQ11} | ~{IRQ13} | ~{IRQ2} | ~{IRQ4} | ~{IRQ6} | USER1
F.Silkscreen: +5V | GND | +12V | ~{RESET_IN} | HOLDA | WAIT | IAQ | CRUOUT | CRUIN | CRUCLK | A0 | A2 | A4 | A6 | A8 | A10 | A12 | A14 | D1 | D3 | D5 | D7 | D9 | D11 | D13 | D15 | ~{IRQ8} | ~{IRQ10} | ~{IRQ12} | ~{IRQ14} | ~{IRQ1} | ~{IRQ3} | ~{IRQ5} | USER2 | ~{LOAD} | READY | ~{HOLD} | ~{MEMEN} | ~{WE} | DBIN | ~{CKOUT} | ~{RESET} | A1 | A3 | A5 | A7 | A9 | A11 | A13 | D0 | D2 | D4 | D6 | D8 | D10 | D12 | D14 | ~{IRQ7} | ~{IRQ9} | ~{IRQ11} | ~{IRQ13} | ~{IRQ2} | ~{IRQ4} | ~{IRQ6} | USER1 | PROTOBOARD | V1.0
